# Altium PCB clean_unrouted.PcbDoc
Units mm, origin at the board's own origin, x right, y up, seen from the top; angles counter-clockwise.
Board outline 167 x 177 mm, 2 copper layers (Top Layer, Bottom Layer); 202 components, 219 nets, 902 pads, 0 vias.
Unrouted connection lines stored in the file: 570.
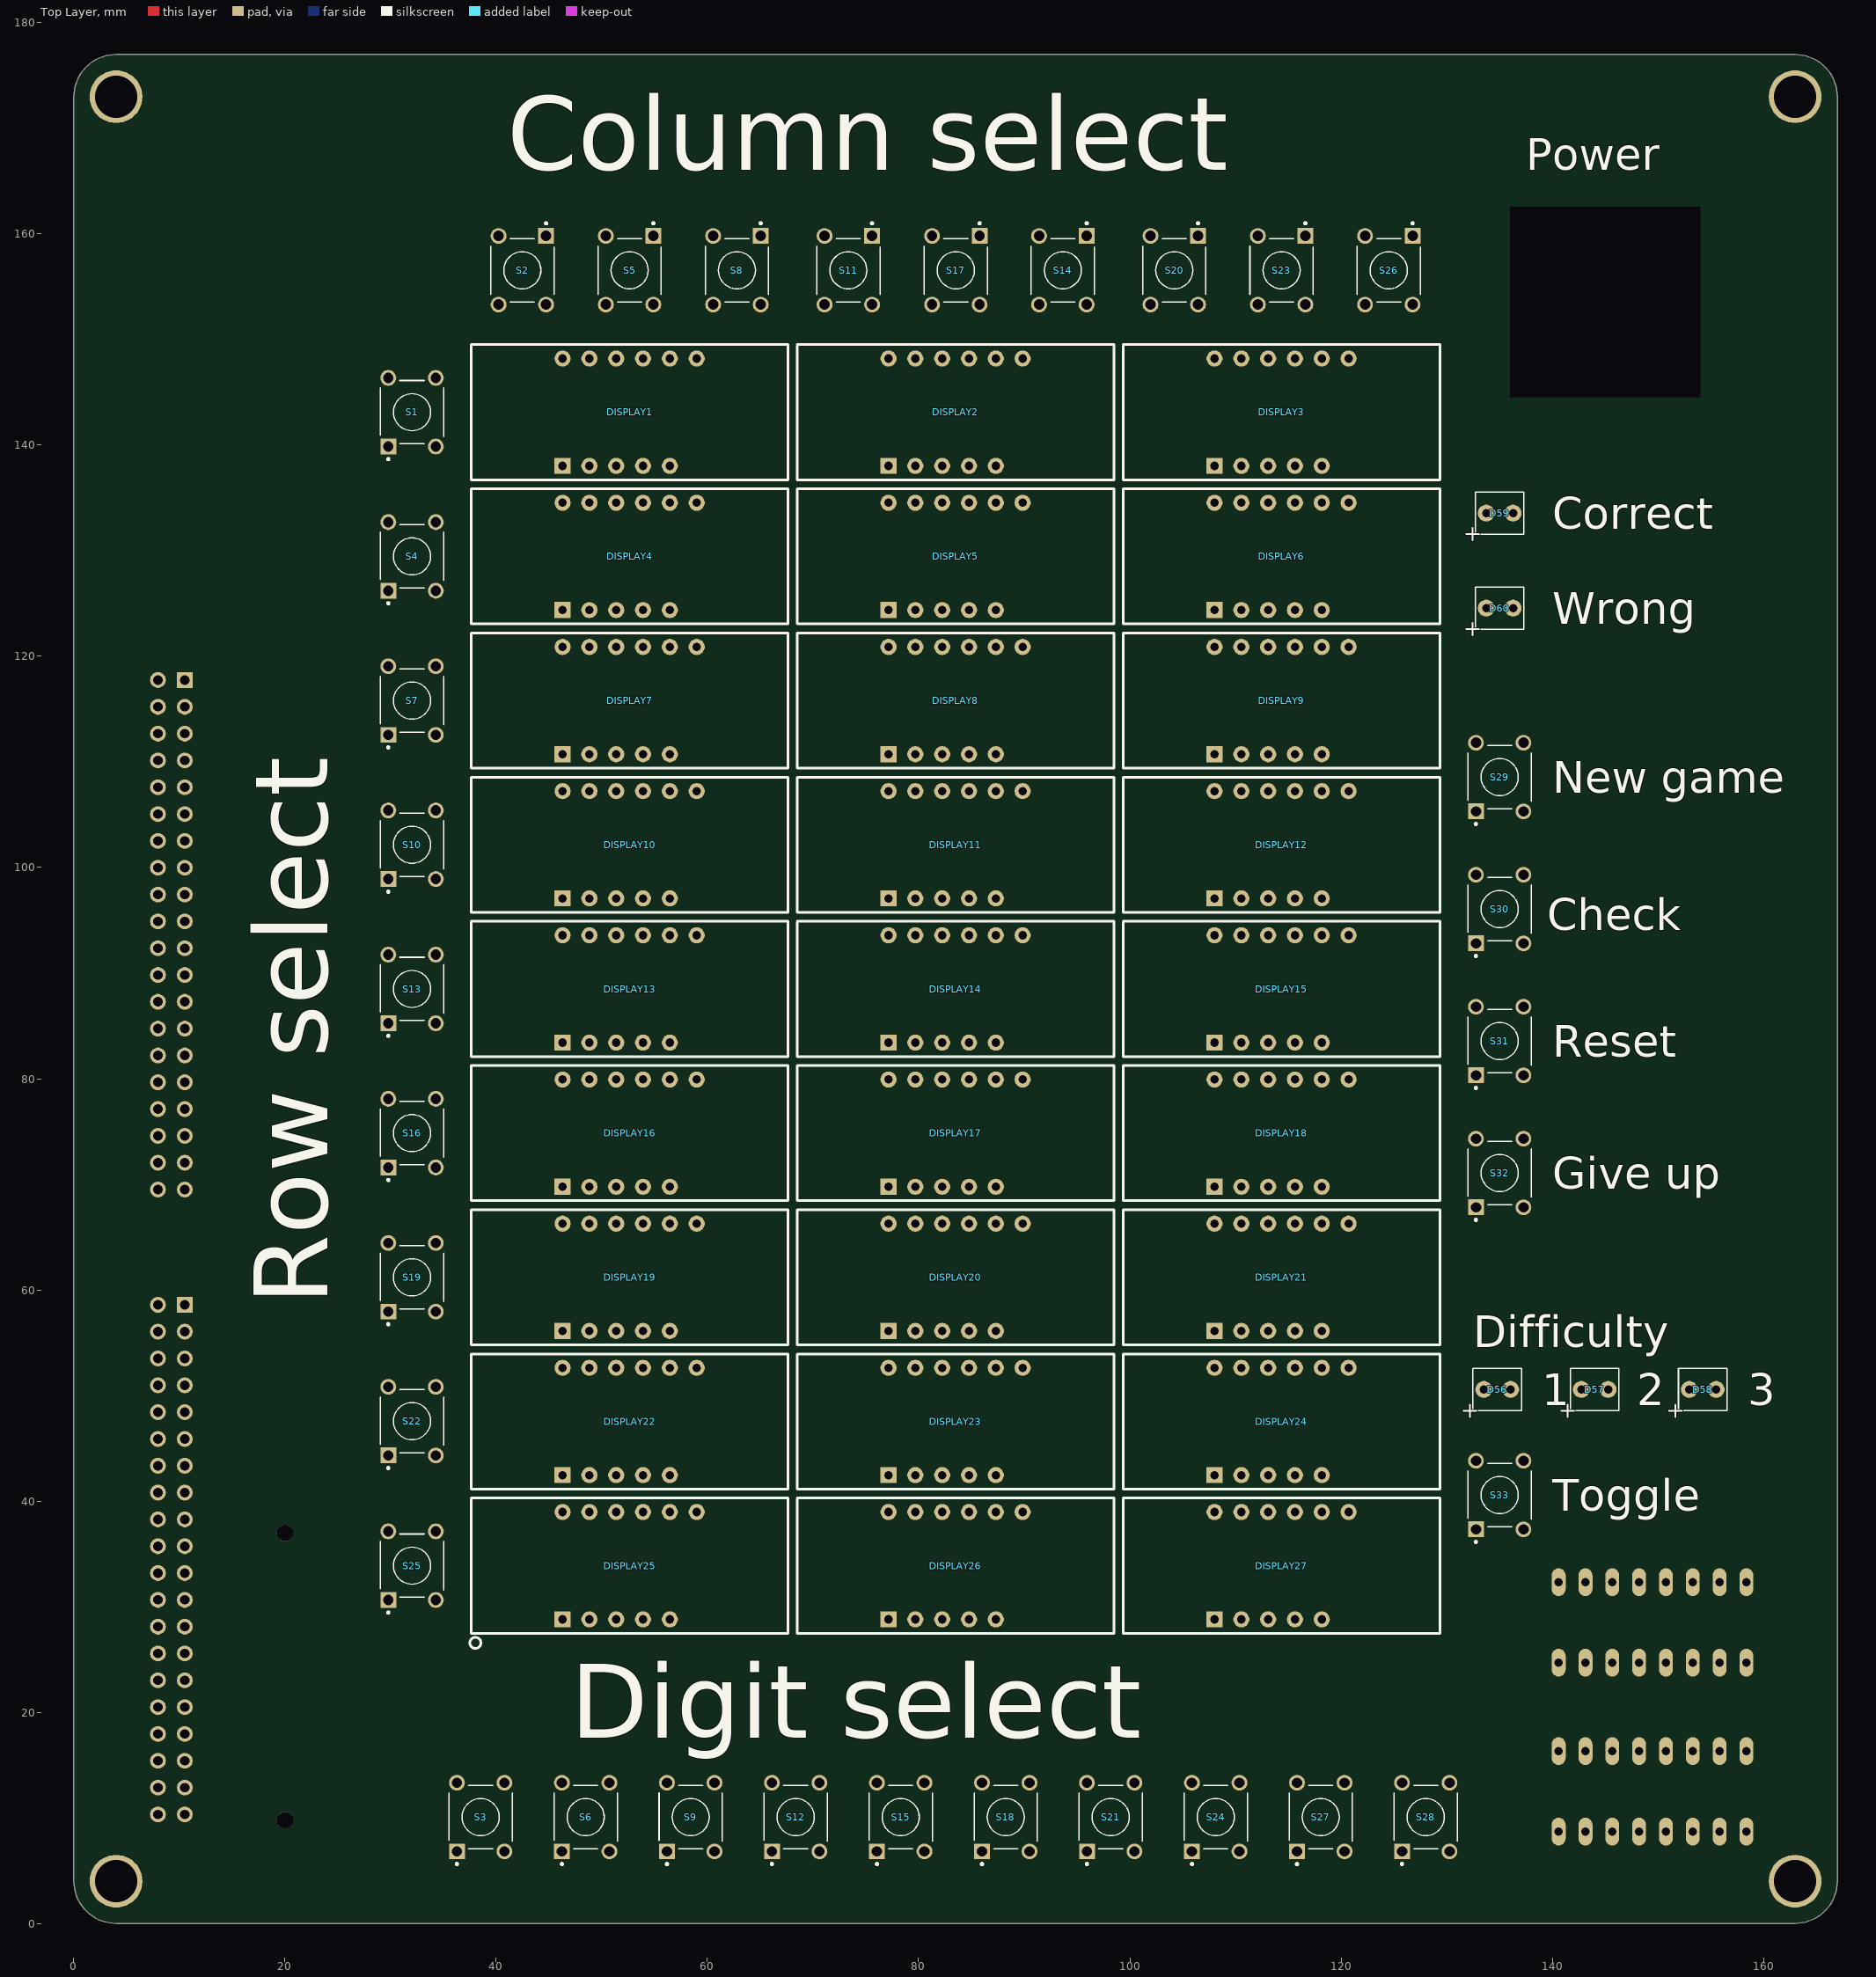
[diagram p0: Top Layer view]
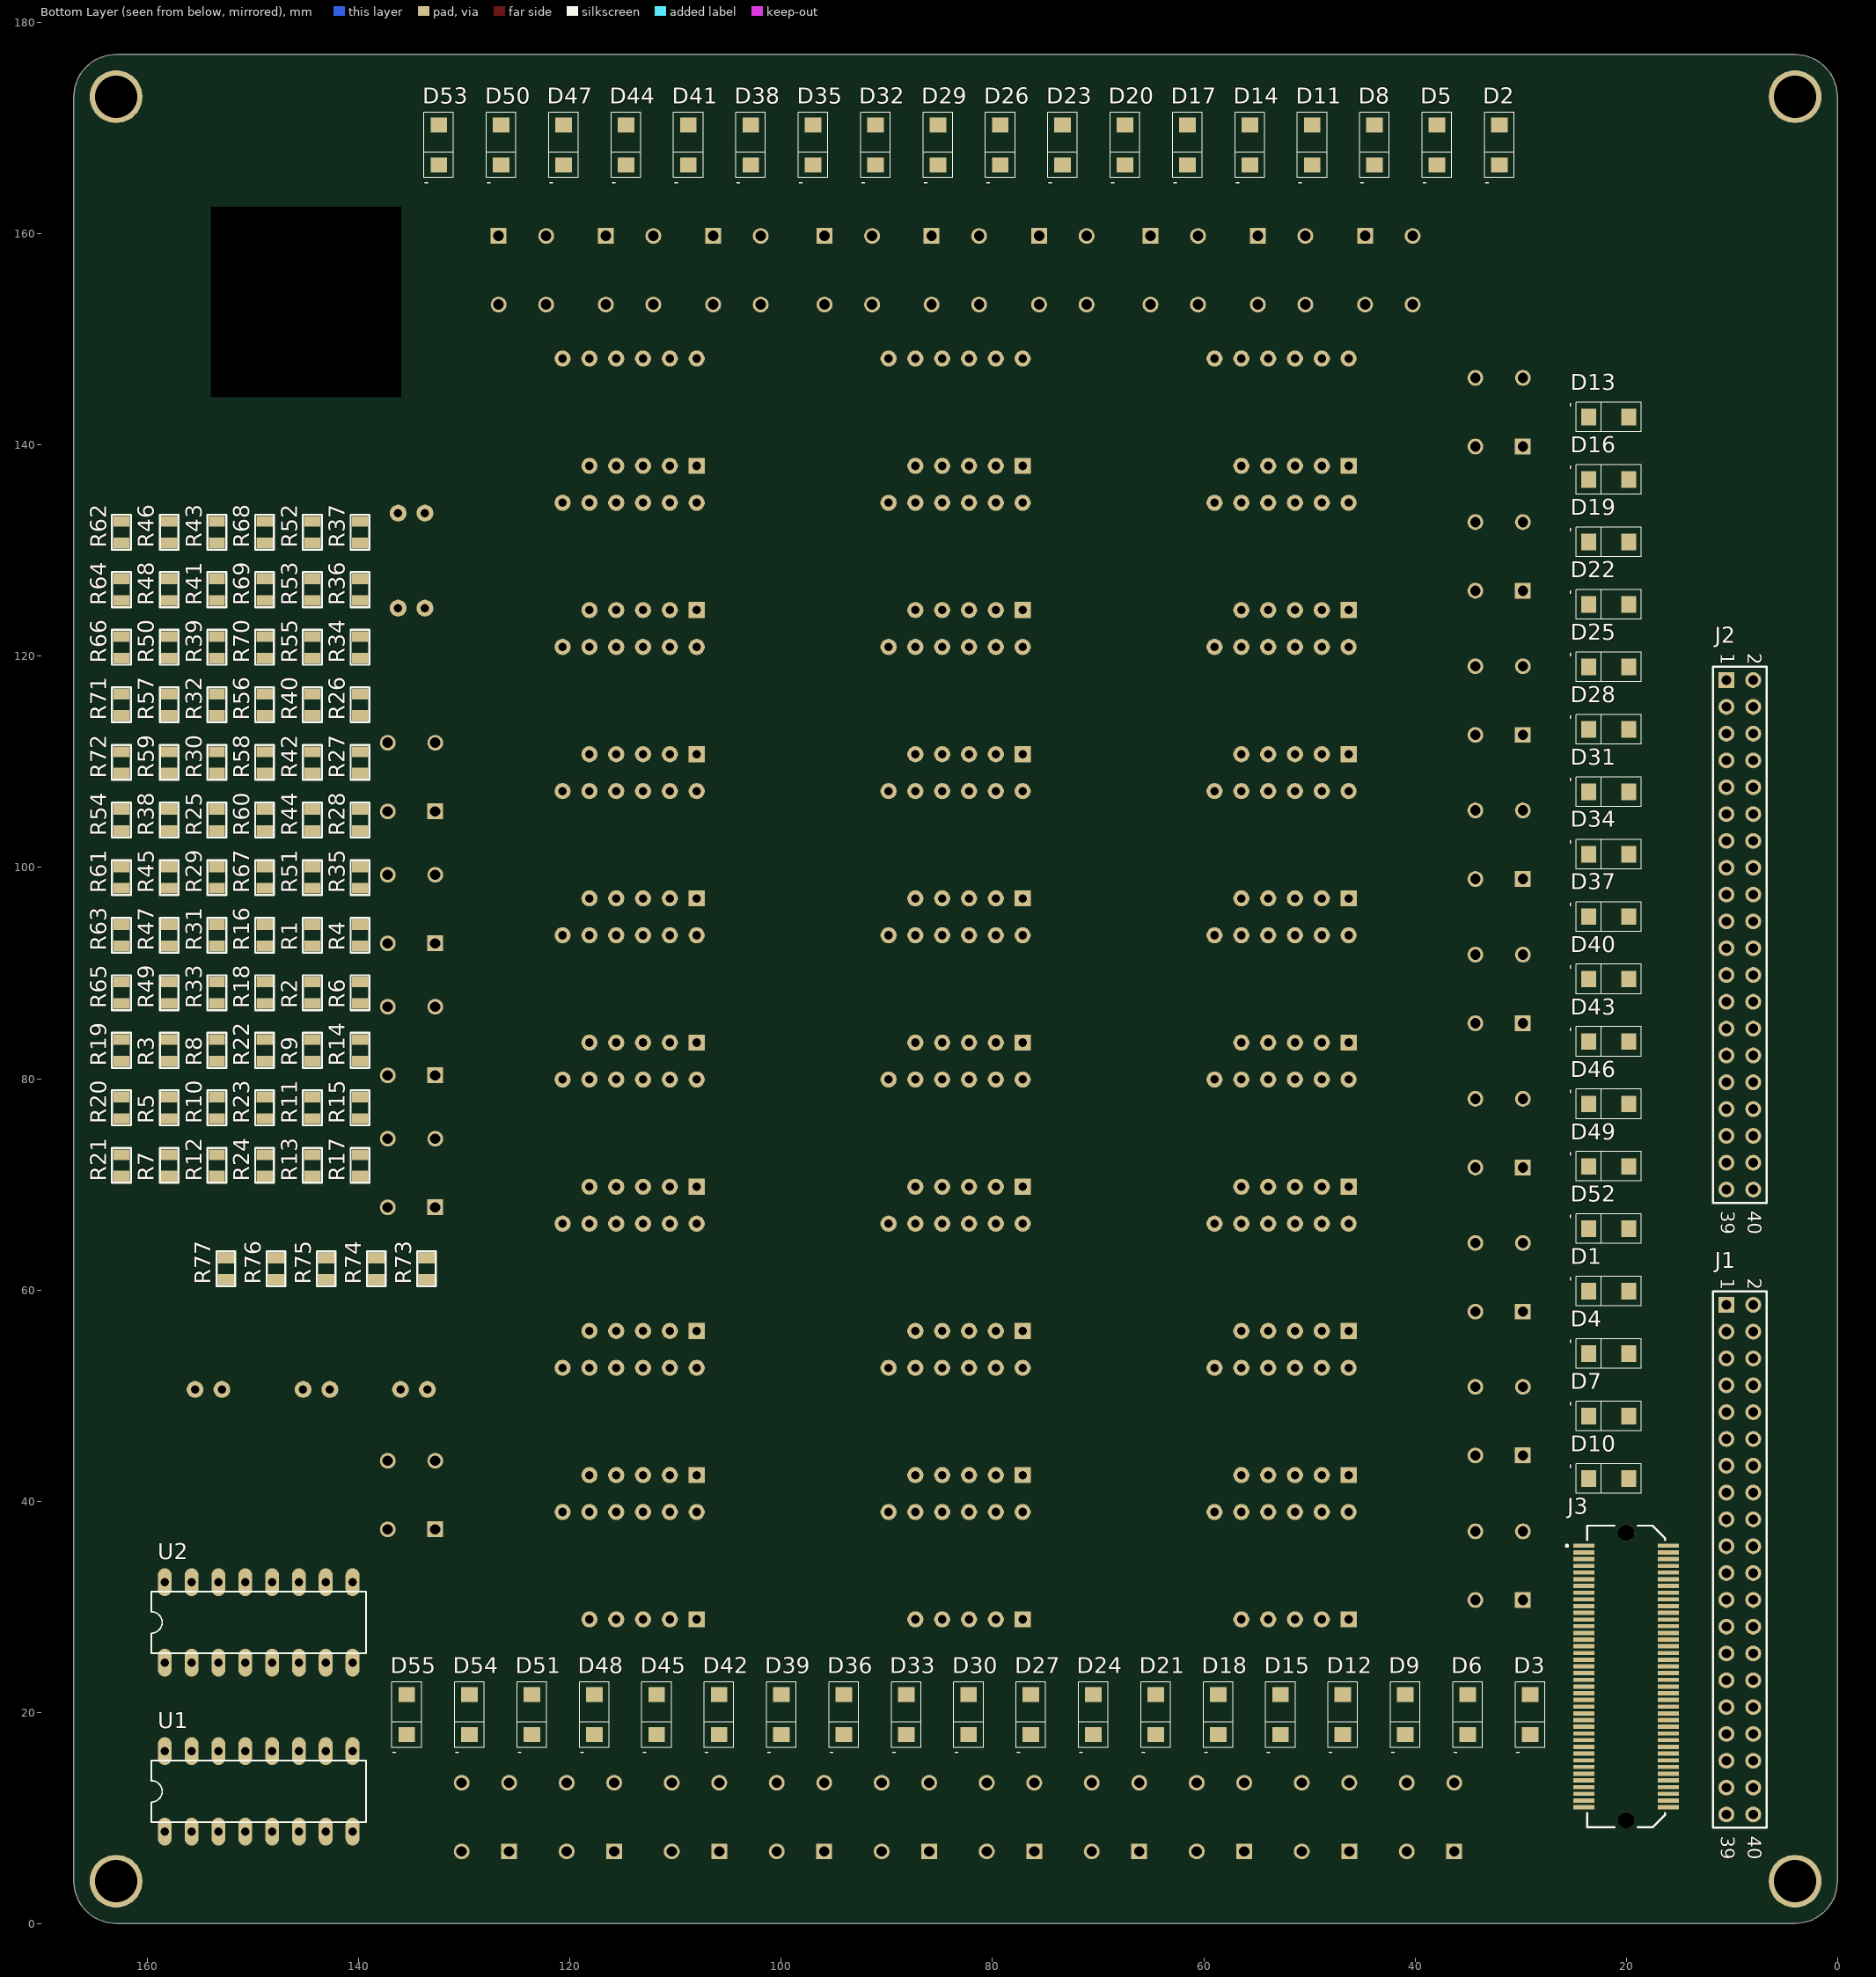
[diagram p1: Bottom Layer view, seen from below]

## Layer stack, top to bottom
Top Solder: solder mask 0.0102, Solder Resist, Dk 3.5
Top Layer: signal copper 0.0356
Dielectric 1: dielectric 0.32, FR-4, Dk 4.8
Bottom Layer: signal copper 0.0356
Bottom Solder: solder mask 0.0102, Solder Resist, Dk 3.5

## Board outline
4,0 163,0 ccw(c163,4) 167,4 167,173 ccw(c163,173) 163,177 4,177 ccw(c4,173) 0,173 0,4 ccw(c4,4)

## Design rules (kind name [scope] priority, off if disabled: settings)
Clearance [All] p1: gap=0.254 ignorepadtopadclearanceinfootprint=FALSE except(0: Arc-Hole Track-Hole SMDPad-Hole THPad-Hole Via-Hole Fill-Hole Poly-Hole Region-Hole Text-Hole)
DiffPairsRouting [All] p1: maxlimit=0.254 minlimit=0.254 mostfreqgap=0.254 toplayer_minwidth=0.381 toplayer_maxwidth=0.381 toplayer_prefwidth=0.381 bottomlayer_minwidth=0.381 bottomlayer_maxwidth=0.381 bottomlayer_prefwidth=0.381 substack1={4A80FCF6-8B57-4C63-8728-E17804B0EB6F} toplayer_{4a80fcf6-8b57-4c63-8728-e17804b0eb6f}_minwidth=0.381 toplayer_{4a80fcf6-8b57-4c63-8728-e17804b0eb6f}_maxwidth=0.381 toplayer_{4a80fcf6-8b57-4c63-8728-e17804b0eb6f}_prefwidth=0.381 bottomlayer_{4a80fcf6-8b57-4c63-8728-e17804b0eb6f}_minwidth=0.381 bottomlayer_{4a80fcf6-8b57-4c63-8728-e17804b0eb6f}_maxwidth=0.381 bottomlayer_{4a80fcf6-8b57-4c63-8728-e17804b0eb6f}_prefwidth=0.381 substack2={70E9EC77-62FA-444B-9BDA-86E83E49DF7C} toplayer_{70e9ec77-62fa-444b-9bda-86e83e49df7c}_minwidth=0.381 toplayer_{70e9ec77-62fa-444b-9bda-86e83e49df7c}_maxwidth=0.381 toplayer_{70e9ec77-62fa-444b-9bda-86e83e49df7c}_prefwidth=0.381 bottomlayer_{70e9ec77-62fa-444b-9bda-86e83e49df7c}_minwidth=0.381 bottomlayer_{70e9ec77-62fa-444b-9bda-86e83e49df7c}_maxwidth=0.381 bottomlayer_{70e9ec77-62fa-444b-9bda-86e83e49df7c}_prefwidth=0.381 substack3={CD978D9D-43B6-4767-909F-B115253F66F6} toplayer_{cd978d9d-43b6-4767-909f-b115253f66f6}_minwidth=0.381 toplayer_{cd978d9d-43b6-4767-909f-b115253f66f6}_maxwidth=0.381 toplayer_{cd978d9d-43b6-4767-909f-b115253f66f6}_prefwidth=0.381 bottomlayer_{cd978d9d-43b6-4767-909f-b115253f66f6}_minwidth=0.381 bottomlayer_{cd978d9d-43b6-4767-909f-b115253f66f6}_maxwidth=0.381 bottomlayer_{cd978d9d-43b6-4767-909f-b115253f66f6}_prefwidth=0.381 maxuncoupledlength=12.7
PolygonConnect [All] p1: connectstyle=Relief reliefconductorwidth=0.254 reliefentries=4 polygonreliefangle="90 Angle" airgapwidth=0.254
RoutingVias [All] p1: holewidth=0.711 width=1.27 viastyle="Through Hole" minholewidth=0.711 minwidth=1.27 maxholewidth=0.711 maxwidth=1.27
SolderMaskExpansion [All] p1: expansion=0.102 istentingtop=FALSE
Width [All] p1: maxlimit=0.254 minlimit=0.254 preferedwidth=0.254 substack1={4A80FCF6-8B57-4C63-8728-E17804B0EB6F} substack2={70E9EC77-62FA-444B-9BDA-86E83E49DF7C} substack3={CD978D9D-43B6-4767-909F-B115253F66F6}
29 further rules are at their usual default settings.

## Classes and differential pairs
net class LEDCOL[8..0]: LEDCOL0 LEDCOL1 LEDCOL2 LEDCOL3 LEDCOL4 LEDCOL5 LEDCOL6 LEDCOL7 LEDCOL8
net class KEY[9..0]: KEY0 KEY1 KEY2 KEY3 KEY4 KEY5 KEY6 KEY7 KEY8 KEY9
component class full_design: 3 D1 D2 D3 D4 D5 D6 D7 D8 D9 D10 D11 D12 D13 D14 D15 D16 D17 D18 D19 D20 D21 D22 D23 D24 D25 D26 D27 D28 D29 D30 D31 D32 D33 D34 D35 D36 D37 D38 D39 D40 D41 D42 D43 D44 D45 D46 D47 D48 D49 D50 D51 D52 D53 D54 D55 D56 D57 D58 D59 D60 DISPLAY1 DISPLAY2 DISPLAY3 DISPLAY4 DISPLAY5 DISPLAY6 DISPLAY7 DISPLAY8 DISPLAY9 DISPLAY10 DISPLAY11 DISPLAY12 DISPLAY13 DISPLAY14 DISPLAY15 DISPLAY16 DISPLAY17 DISPLAY18 DISPLAY19 DISPLAY20 DISPLAY21 DISPLAY22 DISPLAY23 DISPLAY24 DISPLAY25 DISPLAY26 DISPLAY27 J1 J2 J3 R73 R74 R75 R76 R77 S1 S2 S3 S4 S5 S6 S7 S8 S9 S10 S11 S12 S13 S14 S15 S16 S17 S18 S19 S20 S21 S22 S23 S24 S25 S26 S27 S28 S29 S30 S31 S32 S33 U1 U2

## Components (designator, comment, footprint, x,y, rotation, side; value= is the part's Value field where it differs from the comment)
D1 "Diode 1N4007" DIODE_SMC 21.35,60.066 r180 bottom locked
D2 "Diode 1N4007" DIODE_SMC 32.205,168.733 r90 bottom locked
D3 "Diode 1N4007" DIODE_SMC 29.297,20.067 r90 bottom locked
D4 "Diode 1N4007" DIODE_SMC 21.35,54.152 r180 bottom locked
D5 "Diode 1N4007" DIODE_SMC 38.113,168.733 r90 bottom locked
D6 "Diode 1N4007" DIODE_SMC 35.205,20.067 r90 bottom locked
D7 "Diode 1N4007" DIODE_SMC 21.35,48.239 r180 bottom locked
D8 "Diode 1N4007" DIODE_SMC 44.021,168.733 r90 bottom locked
D9 "Diode 1N4007" DIODE_SMC 41.113,20.067 r90 bottom locked
D10 "Diode 1N4007" DIODE_SMC 21.35,42.325 r180 bottom locked
D11 "Diode 1N4007" DIODE_SMC 49.929,168.733 r90 bottom locked
D12 "Diode 1N4007" DIODE_SMC 47.021,20.067 r90 bottom locked
D13 "Diode 1N4007" DIODE_SMC 21.35,142.857 r180 bottom locked
D14 "Diode 1N4007" DIODE_SMC 55.837,168.733 r90 bottom locked
D15 "Diode 1N4007" DIODE_SMC 52.929,20.067 r90 bottom locked
D16 "Diode 1N4007" DIODE_SMC 21.35,136.943 r180 bottom locked
D17 "Diode 1N4007" DIODE_SMC 61.745,168.733 r90 bottom locked
D18 "Diode 1N4007" DIODE_SMC 58.837,20.067 r90 bottom locked
D19 "Diode 1N4007" DIODE_SMC 21.35,131.03 r180 bottom locked
D20 "Diode 1N4007" DIODE_SMC 67.653,168.733 r90 bottom locked
D21 "Diode 1N4007" DIODE_SMC 64.745,20.067 r90 bottom locked
D22 "Diode 1N4007" DIODE_SMC 21.35,125.116 r180 bottom locked
D23 "Diode 1N4007" DIODE_SMC 73.561,168.733 r90 bottom locked
D24 "Diode 1N4007" DIODE_SMC 70.653,20.067 r90 bottom locked
D25 "Diode 1N4007" DIODE_SMC 21.35,119.203 r180 bottom locked
D26 "Diode 1N4007" DIODE_SMC 79.469,168.733 r90 bottom locked
D27 "Diode 1N4007" DIODE_SMC 76.561,20.067 r90 bottom locked
D28 "Diode 1N4007" DIODE_SMC 21.35,113.289 r180 bottom locked
D29 "Diode 1N4007" DIODE_SMC 85.377,168.733 r90 bottom locked
D30 "Diode 1N4007" DIODE_SMC 82.469,20.067 r90 bottom locked
D31 "Diode 1N4007" DIODE_SMC 21.35,107.375 r180 bottom locked
D32 "Diode 1N4007" DIODE_SMC 91.285,168.733 r90 bottom locked
D33 "Diode 1N4007" DIODE_SMC 88.377,20.067 r90 bottom locked
D34 "Diode 1N4007" DIODE_SMC 21.35,101.462 r180 bottom locked
D35 "Diode 1N4007" DIODE_SMC 97.193,168.733 r90 bottom locked
D36 "Diode 1N4007" DIODE_SMC 94.285,20.067 r90 bottom locked
D37 "Diode 1N4007" DIODE_SMC 21.35,95.548 r180 bottom locked
D38 "Diode 1N4007" DIODE_SMC 103.101,168.733 r90 bottom locked
D39 "Diode 1N4007" DIODE_SMC 100.193,20.067 r90 bottom locked
D40 "Diode 1N4007" DIODE_SMC 21.35,89.634 r180 bottom locked
D41 "Diode 1N4007" DIODE_SMC 109.009,168.733 r90 bottom locked
D42 "Diode 1N4007" DIODE_SMC 106.101,20.067 r90 bottom locked
D43 "Diode 1N4007" DIODE_SMC 21.35,83.721 r180 bottom locked
D44 "Diode 1N4007" DIODE_SMC 114.917,168.733 r90 bottom locked
D45 "Diode 1N4007" DIODE_SMC 112.009,20.067 r90 bottom locked
D46 "Diode 1N4007" DIODE_SMC 21.35,77.807 r180 bottom locked
D47 "Diode 1N4007" DIODE_SMC 120.825,168.733 r90 bottom locked
D48 "Diode 1N4007" DIODE_SMC 117.917,20.067 r90 bottom locked
D49 "Diode 1N4007" DIODE_SMC 21.35,71.893 r180 bottom locked
D50 "Diode 1N4007" DIODE_SMC 126.733,168.733 r90 bottom locked
D51 "Diode 1N4007" DIODE_SMC 123.825,20.067 r90 bottom locked
D52 "Diode 1N4007" DIODE_SMC 21.35,65.98 r180 bottom locked
D53 "Diode 1N4007" DIODE_SMC 132.641,168.733 r90 bottom locked
D54 "Diode 1N4007" DIODE_SMC 129.733,20.067 r90 bottom locked
D55 "Diode 1N4007" DIODE_SMC 135.68,20.067 r90 bottom locked
D56 "LED1" RED 134.795,50.567 r90 top locked
D57 "LED1" RED 144.025,50.567 r90 top locked
D58 "LED1" RED 154.255,50.567 r90 top locked
D59 "LED1" green 135.025,133.567 r90 top locked
D60 "LED1" RED 135.025,124.567 r90 top locked
DISPLAY1 "3DIGITREDCC" PCBCOMPONENT_1 52.63,143.123 r0 top locked
DISPLAY2 "3DIGITREDCC" PCBCOMPONENT_1 83.5,143.123 r0 top locked
DISPLAY3 "3DIGITREDCC" PCBCOMPONENT_1 114.37,143.123 r0 top locked
DISPLAY4 "3DIGITREDCC" PCBCOMPONENT_1 52.63,129.467 r0 top locked
DISPLAY5 "3DIGITREDCC" PCBCOMPONENT_1 83.5,129.467 r0 top locked
DISPLAY6 "3DIGITREDCC" PCBCOMPONENT_1 114.37,129.467 r0 top locked
DISPLAY7 "3DIGITREDCC" PCBCOMPONENT_1 52.63,115.811 r0 top locked
DISPLAY8 "3DIGITREDCC" PCBCOMPONENT_1 83.5,115.811 r0 top locked
DISPLAY9 "3DIGITREDCC" PCBCOMPONENT_1 114.37,115.811 r0 top locked
DISPLAY10 "3DIGITREDCC" PCBCOMPONENT_1 52.63,102.156 r0 top locked
DISPLAY11 "3DIGITREDCC" PCBCOMPONENT_1 83.5,102.156 r0 top locked
DISPLAY12 "3DIGITREDCC" PCBCOMPONENT_1 114.37,102.156 r0 top locked
DISPLAY13 "3DIGITREDCC" PCBCOMPONENT_1 52.63,88.5 r0 top locked
DISPLAY14 "3DIGITREDCC" PCBCOMPONENT_1 83.5,88.5 r0 top locked
DISPLAY15 "3DIGITREDCC" PCBCOMPONENT_1 114.37,88.5 r0 top locked
DISPLAY16 "3DIGITREDCC" PCBCOMPONENT_1 52.63,74.844 r0 top locked
DISPLAY17 "3DIGITREDCC" PCBCOMPONENT_1 83.5,74.844 r0 top locked
DISPLAY18 "3DIGITREDCC" PCBCOMPONENT_1 114.37,74.844 r0 top locked
DISPLAY19 "3DIGITREDCC" PCBCOMPONENT_1 52.63,61.189 r0 top locked